# Altium PCB mainboard.PcbDoc (part 2 of 7)
Units mm, origin at the board's own origin, x right, y up, seen from the top; angles counter-clockwise.
Board outline 298.75 x 332.5 mm, 4 copper layers (Top, Ground, Power, Bottom), stack 0.844 mm thick; 349 components, 403 nets, 3466 pads, 640 vias.
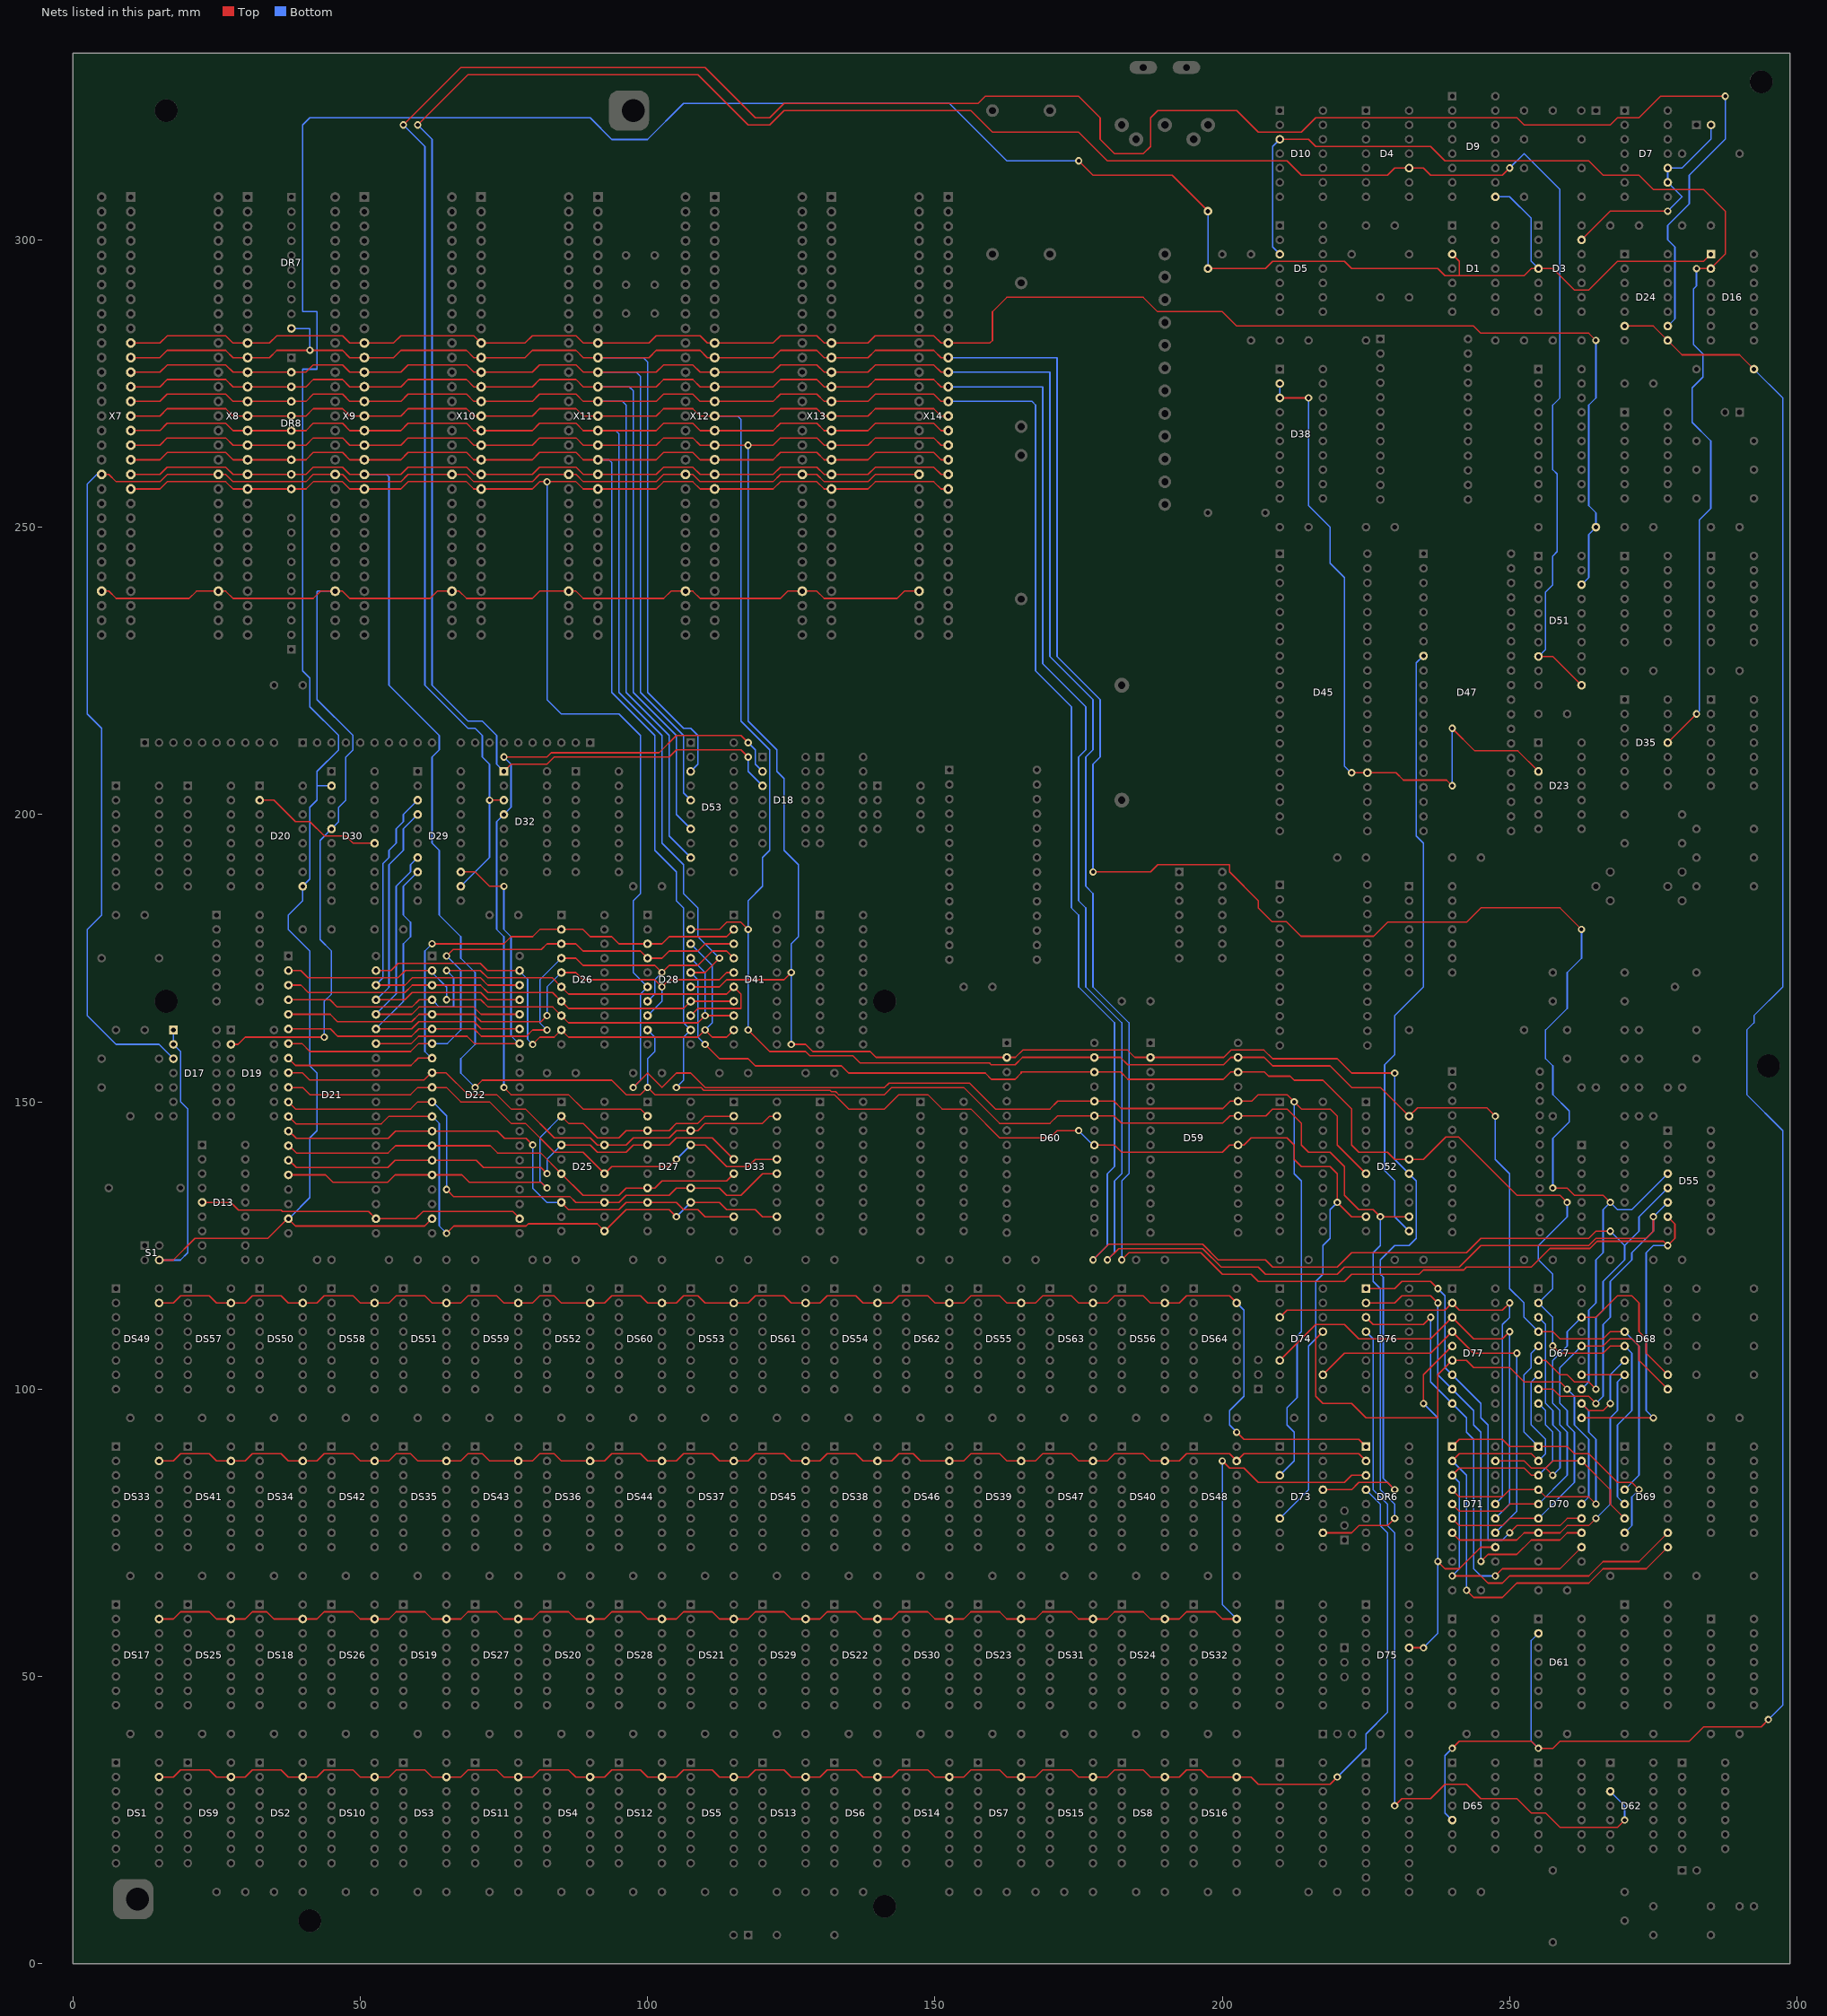
[diagram p4: the nets of this part, all layers, seen from the top]

## Via types
v1: diameter 1.27, hole 0.711, Top to Bottom, tented both sides, 640 vias

## Nets (pads, with @x,y where several pads share a name; then routed paths per layer and width w, separated by ;. In a path a pad name is that pad's centre, name@x,y a point inside that pad or via, vN(x,y) a via of type N, cw(c..) or ccw(c..) an arc to the next point about the centre after c; other vN are vias at no path point) (continued)
A10: D28.6 D52.6 D59.24 D60.24 D73.3 DR8.10 X7.21 X8.21 X9.21 X10.21 X11.21 X12.21 X13.21 X14.21 | length 482.8
  Top w0.254: X7.21@10.078,256.65 15.151,256.65 16.416,257.915 26.585,257.915 27.855,256.645 40.555,256.645 41.825,257.915 46.905,257.915 48.175,256.645 57.065,256.645 58.335,257.915 68.495,257.915 69.765,256.645 79.925,256.645 81.195,257.915 87.545,257.915 88.815,256.645 101.515,256.645 102.785,257.915 107.865,257.915 109.135,256.645 121.835,256.645 123.105,257.915 129.455,257.915 130.725,256.645 138.345,256.645 139.615,257.915 149.775,257.915 151.045,256.645 X14.21@152.313,256.645 ; v1(97.498,152.5) 99.998,155 102.498,152.5 104.998,155 107.498,155 109.998,152.5 141.248,152.5 141.99,153.242 156.038,153.242 160.53,148.75 169.998,148.75 171.362,150.114 181.134,150.114 182.404,148.844 200.094,148.844 201.364,150.114 205.112,150.114 206.248,151.25 211.248,151.25 v1(212.498,150) 213.748,148.75 218.748,148.75 219.998,147.5 219.998,142.5 D52.6@224.998,137.5
  Bottom w0.254: v1(82.498,257.901) v1@82.498,257.915 ; v1@82.5,257.899 82.5,219.998 84.998,217.5 94.998,217.5 98.748,213.75 98.748,186.25 97.498,185 97.498,172.5 D28.6@99.998,170 98.748,168.75 98.748,153.75 v1(97.498,152.5) ; D73.3@209.998,85 212.498,87.5 212.498,92.5 211.248,93.75 211.248,96.782 213.006,98.54 213.006,109.258 213.748,110 213.748,136.25 212.498,137.5 v1(212.498,150)
A11: D28.9 D52.9 D59.21 D60.21 D73.6 DR8.9 X7.20 X8.20 X9.20 X10.20 X11.20 X12.20 X13.20 X14.20 | length 515.8
  Top w0.254: X7.20@10.078,259.19 15.151,259.19 16.416,260.455 26.585,260.455 27.855,259.185 40.555,259.185 41.825,260.455 46.905,260.455 48.175,259.185 57.065,259.185 58.335,260.455 68.495,260.455 69.765,259.185 79.925,259.185 81.195,260.455 87.545,260.455 88.815,259.185 101.515,259.185 102.785,260.455 107.865,260.455 109.135,259.185 121.835,259.185 123.105,260.455 129.455,260.455 130.725,259.185 138.345,259.185 139.615,260.455 149.775,260.455 151.045,259.185 X14.20@152.313,259.185 ; v1(69.998,152.5) 71.248,153.75 93.748,153.75 96.248,151.25 98.748,151.25 v1(99.998,152.5) 101.248,151.25 132.5,151.25 135,148.75 141.248,148.75 143.748,151.25 148.748,151.25 151.248,148.75 156.248,148.75 161.248,143.75 170,143.75 171.25,145 v1(174.998,145) ; D60.21@177.498,142.5 177.504,142.494 181.254,142.494 182.498,141.25 200,141.25 201.25,142.5 203.748,142.5 204.998,143.75 211.248,143.75 212.498,142.5 212.498,140 213.748,138.75 218.748,138.75 219.998,137.5 v1(219.998,132.5) 222.498,130 D52.9@224.998,130
  Bottom w0.254: X9.20@50.718,259.19 54.558,259.19 54.998,258.75 54.998,222.5 63.748,213.75 63.748,211.25 62.498,210 62.498,195 63.748,193.75 63.748,182.5 67.498,178.75 67.498,175 69.998,172.5 69.998,160 67.498,157.5 67.498,155 v1(69.998,152.5) ; v1(99.998,152.5) 99.998,157.5 101.248,158.75 101.248,161.25 D28.9@99.998,162.5 ; v1(174.998,145) D60.21@177.498,142.5 ; D73.6@209.998,77.5 214.998,82.5 214.998,107.5 216.248,108.75 216.248,118.75 217.498,120 217.498,125 218.748,126.25 218.748,131.25 v1(219.998,132.5)
A12: D28.12 D52.12 D59.23 D60.23 D73.10 DR8.8 X7.19 X8.19 X9.19 X10.19 X11.19 X12.19 X13.19 X14.19 | length 481.9
  Top w0.254: X7.19@10.078,261.73 15.16,261.73 16.425,262.995 26.585,262.995 27.855,261.725 40.555,261.725 41.825,262.995 46.905,262.995 48.175,261.725 57.065,261.725 58.335,262.995 68.495,262.995 69.765,261.725 79.925,261.725 81.195,262.995 87.545,262.995 88.815,261.725 101.515,261.725 102.785,262.995 107.865,262.995 109.135,261.725 121.835,261.725 123.105,262.995 129.455,262.995 130.725,261.725 138.345,261.725 139.615,262.995 149.775,262.995 151.045,261.725 X14.19@152.313,261.725 ; v1(104.998,152.5) 109.28,152.5 109.788,151.992 131.756,151.992 131.99,151.758 132.71,151.758 133.218,151.25 141.248,151.25 142.498,152.5 154.998,152.5 161.248,146.25 169.998,146.25 171.322,147.574 181.174,147.574 182.444,146.304 200.054,146.304 201.324,147.574 207.574,147.574 208.75,148.75 211.25,148.75 213.75,146.25 213.75,142.5 215,141.25 218.75,141.25 221.25,138.75 221.25,133.75 223.75,131.25 226.25,131.25 v1(227.5,130) D52.12@232.498,130 ; D73.10@217.498,75 222.5,75 223.75,76.25 228.75,76.25 v1(230,77.5)
  Bottom w0.254: X11.19@91.358,261.73 93.268,261.73 93.748,261.25 93.748,221.25 101.248,213.75 101.248,193.75 104.998,190 104.998,185 106.248,183.75 106.248,163.75 D28.12@107.498,162.5 106.248,161.25 106.248,153.75 v1(104.998,152.5) ; v1(227.5,130) 227.5,125 226.25,123.75 226.25,118.75 227.5,117.5 227.5,82.5 230,80 v1(230,77.5)
A13: D28.15 D52.15 D59.2 D60.2 D73.13 DR8.7 X7.18 X8.18 X9.18 X10.18 X11.18 X12.18 X13.18 X14.18 | length 477.9
  Top w0.254: X7.18@10.078,264.27 15.151,264.27 16.416,265.535 26.585,265.535 27.855,264.265 40.555,264.265 41.825,265.535 46.905,265.535 48.175,264.265 57.065,264.265 58.335,265.535 68.495,265.535 69.765,264.265 79.925,264.265 81.195,265.535 87.545,265.535 88.815,264.265 101.515,264.265 102.785,265.535 107.865,265.535 109.135,264.265 v1(117.467,264.265) 121.835,264.265 123.105,265.535 129.455,265.535 130.725,264.265 138.345,264.265 139.615,265.535 149.775,265.535 151.045,264.265 X14.18@152.313,264.265 ; D28.15@107.498,170 112.498,170 113.748,171.25 123.748,171.25 v1(124.998,172.5) ; v1(124.998,160) 127.498,160 128.748,158.75 138.748,158.75 139.764,157.734 163.984,157.734 165.254,159.004 183.494,159.004 184.764,157.734 200.234,157.734 201.504,159.004 207.246,159.004 208.75,157.5 220,157.5 222.5,155 v1(230,155) ; D73.13@217.498,82.5 222.5,82.5 223.75,83.75 228.75,83.75 v1(230,82.5)
  Bottom w0.254: v1@117.5,263.75 117.5,216.25 122.5,211.25 122.5,207.5 123.75,206.25 123.75,193.75 126.25,191.25 126.25,178.75 125,177.5 125,172.502 v1(124.998,172.5) v1(124.998,160) ; v1(230,82.5) 228.008,84.492 228.008,119.492 227.5,120 227.5,122.5 230,125 232.5,125 233.75,126.25 233.75,136.25 232.5,137.5 D52.15@232.498,137.5 232.498,137.502 230,140 v1(230,155)
A14: D28.16 D52.16 D59.26 D60.26 D67.2 D68.5 D69.5 DR8.6 X7.17 X8.17 X9.17 X10.17 X11.17 X12.17 X13.17 X14.17 | length 515.6
  Top w0.254: X7.17@10.078,266.81 15.151,266.81 16.416,268.075 26.585,268.075 27.855,266.805 40.555,266.805 41.825,268.075 46.905,268.075 48.175,266.805 57.065,266.805 58.335,268.075 68.495,268.075 69.765,266.805 79.925,266.805 81.195,268.075 87.545,268.075 88.815,266.805 101.515,266.805 102.785,268.075 107.865,268.075 109.135,266.805 121.835,266.805 123.105,268.075 129.455,268.075 130.725,266.805 138.345,266.805 139.615,268.075 149.775,268.075 151.045,266.805 X14.17@152.313,266.805 ; D28.16@107.498,172.5 109.998,172.5 v1(112.498,175) ; v1(109.998,160) 112.498,157.5 117.498,157.5 118.748,156.25 133.748,156.25 134.998,155 158.748,155 159.824,153.924 163.924,153.924 165,155 165,155.194 182.304,155.194 183.574,153.924 200.174,153.924 201.444,155.194 202.302,155.194 202.498,154.998 202.498,155.194 207.306,155.194 208.034,154.466 211.784,154.466 212.5,153.75 217.5,153.75 222.5,148.75 222.5,142.5 223.75,141.25 228.75,141.25 230,140 D52.16@232.498,140 234.998,140 238.889,143.891 241.107,143.891 251.267,133.731 258.767,133.731 v1(259.998,132.5) ; v1(257.498,107.5) 258.748,106.25 266.248,106.25 267.498,107.5 D68.5@269.998,107.5
  Bottom w0.254: X11.17@91.358,266.81 94.438,266.81 94.998,266.25 94.998,221.25 102.498,213.75 102.498,195 106.248,191.25 106.248,186.25 108.748,183.75 108.748,178.75 v1(112.498,175) ; D28.16@107.498,172.5 108.748,171.25 108.748,161.25 v1(109.998,160) ; v1(257.498,107.5) 257.498,112.5 D67.2@254.998,115 257.498,117.5 257.498,120 254.998,122.5 254.998,125 259.998,130 v1(259.998,132.5) ; D69.5@269.998,80 268.75,81.25 268.75,93.754 271.248,96.252 271.248,106.25 D68.5@269.998,107.5
A15: D28.19 D52.19 D59.27 D60.27 D67.4 D68.4 D69.4 DR8.5 X7.16 X8.16 X9.16 X10.16 X11.16 X12.16 X13.16 X14.16 | length 501.1
  Top w0.254: X7.16@10.078,269.35 15.151,269.35 16.416,270.615 26.585,270.615 27.855,269.345 40.555,269.345 41.825,270.615 46.905,270.615 48.175,269.345 57.065,269.345 58.335,270.615 68.495,270.615 69.765,269.345 79.925,269.345 81.195,270.615 87.545,270.615 88.815,269.345 101.515,269.345 102.785,270.615 107.865,270.615 109.135,269.345 121.835,269.345 123.105,270.615 129.455,270.615 130.725,269.345 X13.16@131.993,269.345 ; D28.19@107.498,180 112.498,180 113.748,181.25 116.248,181.25 v1(117.498,180) ; v1(117.498,162.5) 121.248,158.75 127.498,158.75 128.24,158.008 135.74,158.008 136.99,156.758 159.49,156.758 159.784,156.464 163.964,156.464 165.234,157.734 182.264,157.734 183.534,156.464 200.214,156.464 201.484,157.734 207.266,157.734 208.75,156.25 218.75,156.25 222.5,152.5 227.498,152.5 D52.19@232.498,147.5 233.969,148.971 246.027,148.971 v1(247.498,147.5) ; X13.16@131.998,269.35 138.35,269.35 139.615,270.615 149.775,270.615 151.045,269.345 X14.16@152.313,269.345 ; D67.4@254.998,110 257.498,110 258.748,108.75 266.248,108.75 267.498,110 D68.4@269.998,110
  Bottom w0.254: X12.16@111.678,269.35 115.648,269.35 116.248,268.75 116.248,216.25 121.248,211.25 121.248,193.75 119.998,192.5 119.998,187.5 117.498,185 v1(117.498,180) v1(117.498,162.5) ; v1(247.498,147.5) 247.498,140 249.998,137.5 249.998,117.5 252.498,115 252.498,112.5 D67.4@254.998,110 ; D69.4@269.998,82.5 272.498,85 272.498,107.5 D68.4@269.998,110
A16: D53.9 D55.5 D67.6 DR8.4 X7.15 X8.15 X9.15 X10.15 X11.15 X12.15 X13.15 X14.15 | length 560.8
  Top w0.254: X7.15@10.078,271.89 15.151,271.89 16.416,273.155 26.585,273.155 27.855,271.885 40.555,271.885 41.825,273.155 46.905,273.155 48.175,271.885 57.065,271.885 58.335,273.155 68.495,273.155 69.765,271.885 79.925,271.885 81.195,273.155 87.545,273.155 88.815,271.885 101.515,271.885 102.785,273.155 107.865,273.155 109.135,271.885 121.835,271.885 123.105,273.155 129.455,273.155 130.725,271.885 138.345,271.885 139.615,273.155 149.775,273.155 151.045,271.885 X14.15@152.313,271.885 ; v1(177.498,122.5) 180.22,125.222 196.558,125.222 199.28,122.5 207.5,122.5 208.75,121.25 220,121.25 222.5,123.75 242.5,123.75 245,126.25 263.75,126.25 265,127.5 v1(267.5,127.5) ; D67.6@254.998,105 256.25,105 258.75,102.5 260,102.5 261.25,101.25 263.75,101.25 v1(265,100)
  Bottom w0.254: X11.15@91.358,271.89 95.608,271.89 96.248,271.25 96.248,221.25 103.748,213.75 103.748,196.25 D53.9@107.498,192.5 ; X14.15@152.318,271.89 166.86,271.89 167.498,271.252 167.498,225 173.748,218.75 173.748,183.75 174.998,182.5 174.998,170 181.248,163.75 181.248,138.75 179.998,137.5 179.998,125 v1(177.498,122.5) ; v1(265,100) 265,112.5 266.25,113.75 266.25,118.75 270,122.5 270,125 ; v1(267.5,127.5) 270,125 ; D55.5@277.498,135 277.498,134.998 272.5,130 272.5,127.5 270,125
A17: D53.7 D55.6 D67.8 DR8.3 X7.14 X8.14 X9.14 X10.14 X11.14 X12.14 X13.14 X14.14 | length 567
  Top w0.254: X7.14@10.078,274.43 15.151,274.43 16.416,275.695 26.585,275.695 27.855,274.425 40.555,274.425 41.825,275.695 46.905,275.695 48.175,274.425 57.065,274.425 58.335,275.695 68.495,275.695 69.765,274.425 79.925,274.425 81.195,275.695 87.545,275.695 88.815,274.425 101.515,274.425 102.785,275.695 107.865,275.695 109.135,274.425 121.835,274.425 123.105,275.695 129.455,275.695 130.725,274.425 138.345,274.425 139.615,275.695 149.775,275.695 151.045,274.425 X14.14@152.313,274.425 ; v1(179.998,122.5) 181.958,124.46 196.601,124.46 199.811,121.25 206.25,121.25 207.5,120 220,120 221.25,121.25 241.25,121.25 245,125 263.75,125 265,126.25 273.75,126.25 275,127.5 v1(275,130) ; D67.8@254.998,100 257.5,100 258.75,98.75 263.75,98.75 v1(265,97.5)
  Bottom w0.254: X11.14@91.358,274.43 96.818,274.43 97.498,273.75 97.498,221.25 104.998,213.75 104.998,200 D53.7@107.498,197.5 ; X14.14@152.318,274.43 168.748,274.43 168.748,226.25 176.248,218.75 176.248,211.25 174.998,210 174.998,185 176.248,183.75 176.248,170 182.498,163.75 182.498,137.5 181.248,136.25 181.248,123.75 v1(179.998,122.5) ; v1(265,97.5) 266.25,98.75 266.25,111.25 267.5,112.5 267.5,118.75 271.25,122.5 271.25,123.75 275,127.5 v1(275,130) ; v1@275,130.002 D55.6@277.498,132.5
A18: D53.5 D55.7 D67.11 DR8.2 X7.13 X8.13 X9.13 X10.13 X11.13 X12.13 X13.13 X14.13 | length 566.9
  Top w0.254: X7.13@10.078,276.97 15.16,276.97 16.425,278.235 26.585,278.235 27.855,276.965 40.555,276.965 41.825,278.235 46.905,278.235 48.175,276.965 57.065,276.965 58.335,278.235 68.495,278.235 69.765,276.965 79.925,276.965 81.195,278.235 87.545,278.235 88.815,276.965 101.515,276.965 102.785,278.235 107.865,278.235 109.135,276.965 121.835,276.965 123.105,278.235 129.455,278.235 130.725,276.965 138.345,276.965 139.615,278.235 149.775,278.235 151.045,276.965 X14.13@152.313,276.965 ; v1(182.498,122.5) 182.5,122.5 183.75,123.75 196.25,123.75 200,120 205,120 206.25,118.75 221.25,118.75 222.5,120 234.258,120 235,120.742 241.992,120.742 242.5,121.25 253.75,121.25 256.992,124.492 263.96,124.492 265.21,125.742 276.756,125.742 v1(277.498,125) 278.748,126.25 278.748,128.75 D55.7@277.498,130 ; D67.11@262.498,95 v1(274.998,95)
  Bottom w0.254: X11.13@91.358,276.97 98.028,276.97 98.748,276.25 98.748,221.25 106.248,213.75 106.248,203.75 D53.5@107.498,202.5 ; X14.13@152.318,276.97 169.998,276.97 169.998,227.5 177.498,220 177.498,211.25 176.248,210 176.248,187.5 177.498,186.25 177.498,170 183.748,163.75 183.748,137.5 182.498,136.25 v1(182.498,122.5) ; v1(274.998,95) 273.748,96.25 273.748,123.75 274.998,125 v1(277.498,125)
A19: D53.3 D55.4 D67.13 DR7.10 X7.12 X8.12 X9.12 X10.12 X11.12 X12.12 X13.12 X14.12 | length 558.6
  Top w0.254: X7.12@10.078,279.51 15.151,279.51 16.416,280.775 26.585,280.775 27.855,279.505 34.205,279.505 35.475,280.775 46.905,280.775 48.175,279.505 55.795,279.505 57.065,280.775 68.495,280.775 69.765,279.505 78.655,279.505 79.925,280.775 87.545,280.775 88.815,279.505 100.245,279.505 101.515,280.775 109.135,280.775 110.405,279.505 121.835,279.505 123.105,280.775 129.455,280.775 130.725,279.505 138.345,279.505 139.615,280.775 149.775,280.775 151.045,279.505 X14.12@152.313,279.505 ; v1(177.5,190) 187.5,190 188.75,191.25 201.25,191.25 201.25,190 206.25,185 206.25,183.75 208.644,181.356 211.144,181.356 213.684,178.816 226.316,178.816 228.75,181.25 242.5,181.25 245,183.75 258.75,183.75 v1(262.5,180) ; v1(257.5,135) 260,135 261.25,133.75 266.25,133.75 v1(267.5,132.5)
  Bottom w0.254: DR7.10@38.021,284.588 41.25,284.588 v1@41.25,280.894 ; X11.12@91.358,279.51 99.238,279.51 99.998,278.75 99.998,221.25 106.248,215 107.498,215 108.748,213.75 108.748,208.75 D53.3@107.498,207.5 ; X14.12@152.318,279.51 171.25,279.51 171.25,227.5 178.75,220 178.75,210 177.5,208.75 v1(177.5,190) ; v1(257.5,135) 257.5,143.637 260.35,146.487 260.35,148.407 257.5,151.257 257.5,156.25 256.25,157.5 256.25,162.5 260,166.25 260,172.5 262.5,175 v1(262.5,180) ; D67.13@262.498,100 262.5,100 263.75,101.25 263.75,113.75 265,115 265,122.5 266.25,123.75 266.25,131.25 v1(267.5,132.5) 268.75,131.25 271.25,131.25 271.25,131.252 D55.4@277.498,137.5
  other v1: 41.248,280.793
AD0: D21.16 D22.16 D25.2 D27.3 D33.2 | length 94.8
  Top w0.254: D21.16@37.498,137.5 37.711,137.287 43.963,137.287 45.233,136.017 54.767,136.017 56.037,137.287 67.711,137.287 68.981,136.017 81.481,136.017 v1(82.498,135) ; D25.2@84.998,147.5 86.248,146.25 88.75,146.25 91.25,143.75 94.998,143.75 96.248,145 D27.3@99.998,145 103.748,145 104.998,146.25 108.748,146.25 109.998,147.5 D33.2@114.998,147.5
  Bottom w0.254: v1(82.498,135) 81.248,136.25 81.248,143.75 D25.2@84.998,147.5
AD1: D21.15 D22.15 D25.4 D27.4 D33.5 | length 86.3
  Top w0.254: D21.15@37.5,140 37.5,139.919 38.862,138.557 54.807,138.557 56.077,139.827 70.171,139.827 71.441,138.557 81.441,138.557 v1(82.498,137.5) ; D25.4@84.998,142.5 90,142.5 91.25,141.25 96.25,141.25 97.5,142.5 D27.4@99.998,142.5 103.748,142.5 104.998,143.75 111.248,143.75 D33.5@114.998,140
  Bottom w0.254: v1(82.498,137.5) 82.498,140 D25.4@84.998,142.5
AD2: D21.14 D22.14 D25.6 D27.7 D33.6 | length 83.7
  Top w0.254: D21.14@37.5,142.5 38.903,141.097 54.847,141.097 56.117,142.367 72.633,142.367 73.903,141.097 81.403,141.097 D25.6@84.998,137.502 ; D25.6@84.998,137.5 88.748,133.75 94.998,133.75 96.248,135 D27.7@99.998,135 101.248,135 102.498,136.25 113.748,136.25 D33.6@114.998,137.5
AD3: D21.13 D22.13 D25.8 D27.8 D33.9 | length 90.2
  Top w0.254: D21.13@37.5,145 38.863,143.637 54.887,143.637 56.157,144.907 73.841,144.907 75.111,143.637 78.861,143.637 v1(79.998,142.5) ; D25.8@84.998,132.5 86.248,131.25 94.998,131.25 96.248,132.5 D27.8@99.998,132.5 104.998,132.5 106.248,131.25 108.748,131.25 109.998,130 D33.9@114.998,130
  Bottom w0.254: v1(79.998,142.5) 79.998,135 82.498,132.5 D25.8@84.998,132.5
AD4: D21.12 D22.12 D25.11 D27.13 D33.12 | length 110.3
  Top w0.254: D21.12@37.498,147.5 38.821,146.177 53.677,146.177 55,147.5 D22.12@62.498,147.5 ; v1(65.024,127.127) 66.294,128.397 78.867,128.397 79.248,128.778 91.222,128.778 92.498,127.502 D25.11@92.498,127.5 96.248,131.25 103.748,131.25 v1(104.998,130) ; D27.13@107.498,132.5 112.498,132.5 113.748,131.25 118.748,131.25 119.998,130 D33.12@122.498,130
  Bottom w0.254: D22.12@62.498,147.5 62.5,147.5 63.75,146.25 63.75,128.401 v1(65.024,127.127) ; v1(104.998,130) D27.13@107.498,132.5
AD5: D21.11 D22.11 D25.13 D27.14 D33.15 | length 103.9
  Top w0.254: D21.11@37.5,150 38.75,148.75 58.75,148.75 60,150 D22.11@62.498,150 ; v1(65.024,134.747) 66.294,133.477 84.519,133.477 84.572,133.529 86.471,133.529 87.5,132.5 D25.13@92.498,132.5 94.998,132.5 96.248,133.75 103.748,133.75 104.998,135 D27.14@107.498,135 112.498,135 113.748,133.75 116.248,133.75 119.998,137.5 D33.15@122.498,137.5
  Bottom w0.254: D22.11@62.498,150 62.598,150 65.024,147.574 v1(65.024,134.747)
AD6: D21.10 D22.10 D25.15 D27.17 D33.16 | length 96.4
  Top w0.254: D21.10@37.498,152.5 40,152.5 41.25,151.25 58.75,151.25 60,152.5 62.498,152.5 65,152.5 67.5,150 72.5,150 76.25,146.25 78.75,146.25 83.75,141.25 88.75,141.25 D25.15@92.498,137.502 ; D25.15@92.498,137.5 93.748,138.75 103.748,138.75 v1(104.998,140) ; D27.17@107.498,142.5 109.998,142.5 113.748,138.75 117.498,138.75 118.748,140 D33.16@122.498,140
  Bottom w0.254: v1(104.998,140) D27.17@107.498,142.5
AD7: D21.9 D22.9 D25.17 D27.18 D33.19 | length 93.4
  Top w0.254: D21.9@37.498,155 37.565,155.067 39.933,155.067 41.203,153.797 61.087,153.797 62.357,155.067 64.933,155.067 68.75,151.25 73.75,151.25 76.25,148.75 78.75,148.75 83.75,143.75 90,143.75 91.25,142.5 D25.17@92.498,142.5 96.248,142.5 97.498,143.75 103.748,143.75 104.998,145 D27.18@107.498,145 108.748,145 109.998,146.25 119.998,146.25 121.248,147.5 D33.19@122.498,147.5
AD8: D21.8 D22.8 D26.2 D28.3 D41.2 | length 102.7
  Top w0.254: D21.8@37.498,157.5 37.572,157.5 38.735,156.337 58.837,156.337 60.107,157.607 62.391,157.607 D22.8@62.498,157.5 ; v1(62.498,177.5) 74.998,177.5 76.248,178.75 79.998,178.75 81.248,180 D26.2@84.998,180 88.75,180 90,178.75 93.748,178.75 94.998,177.5 D28.3@99.998,177.5 102.498,177.5 103.748,178.75 113.748,178.75 D41.2@114.998,180
  Bottom w0.254: D22.8@62.498,157.5 61.248,158.75 61.248,176.25 v1(62.498,177.5)
AD9: D21.7 D22.7 D26.3 D28.4 D41.3 | length 99.1
  Top w0.254: D21.7@37.498,160 37.645,160.147 39.853,160.147 41.25,158.75 58.75,158.75 60.147,160.147 62.351,160.147 D22.7@62.498,160 ; v1(65.024,175.387) 66.167,176.53 81.53,176.53 82.5,177.5 D26.3@84.998,177.5 87.498,177.5 88.748,176.25 98.748,176.25 D28.4@99.998,175 102.498,175 103.748,176.25 108.748,176.25 109.998,177.5 D41.3@114.998,177.5
  Bottom w0.254: D22.7@62.498,160 62.645,160.147 65.145,160.147 67.498,162.5 67.498,172.913 v1(65.024,175.387)
AD10: D21.6 D22.6 D26.4 D28.7 D41.4 | length 100.8
  Top w0.254: D21.6@37.498,162.5 37.685,162.687 44.813,162.687 46.083,161.417 58.917,161.417 60.187,162.687 69.811,162.687 71.081,161.417 78.915,161.417 79.998,162.5 v1(82.498,162.5) ; D26.4@84.998,175 87.5,175 88.75,173.75 101.25,173.75 v1@102.498,172.502 ; v1(102.498,172.5) 103.748,173.75 108.748,173.75 111.248,176.25 113.748,176.25 D41.4@114.998,175
  Bottom w0.254: v1(82.498,162.5) 81.248,163.75 81.248,171.25 D26.4@84.998,175 ; D28.7@99.998,167.5 101.248,168.75 101.248,171.25 v1(102.498,172.5)
AD11: D21.5 D22.5 D26.5 D28.8 D41.5 | length 93.7
  Top w0.254: D21.5@37.498,165 37.725,165.227 44.773,165.227 46.043,163.957 58.957,163.957 60.227,165.227 69.771,165.227 71.041,163.957 81.455,163.957 v1(82.498,165) ; D26.5@84.998,172.5 87.5,172.5 88.75,171.25 101.25,171.25 v1@102.498,170.002 ; v1(102.498,170) 103.748,171.25 112.498,171.25 113.748,172.5 D41.5@114.998,172.5
  Bottom w0.254: v1(82.498,165) 82.498,170 D26.5@84.998,172.5 ; D28.8@99.998,165 102.498,167.5 v1(102.498,170)
AD12: D21.4 D22.4 D26.6 D28.13 D41.6 | length 103
  Top w0.254: D21.4@37.498,167.5 37.765,167.767 44.733,167.767 46.003,166.497 58.997,166.497 60.267,167.767 62.231,167.767 D22.4@62.498,167.5 ; v1(65.024,172.847) 70.901,172.847 72.171,171.577 83.421,171.577 D26.6@84.998,170 86.248,168.75 113.748,168.75 D41.6@114.998,170 115,170 116.25,168.75 116.25,166.25 108.75,166.25 D28.13@107.498,165 D28.13@107.498,165
  Bottom w0.254: D22.4@62.498,167.5 62.751,167.5 63.754,166.497 66.248,166.497 66.248,171.623 v1(65.024,172.847)
AD13: D21.3 D22.3 D26.7 D28.14 D41.7 | length 80.9
  Top w0.254: D21.3@37.498,170 37.805,170.307 39.693,170.307 40.963,169.037 57.787,169.037 59.057,170.307 70.941,170.307 72.211,169.037 83.461,169.037 D26.7@84.998,167.5 85,167.5 86.25,166.25 106.248,166.25 D28.14@107.498,167.5 D41.7@114.998,167.5
AD14: D21.2 D22.2 D26.8 D28.17 D41.8 | length 95.3
  Top w0.254: D21.2@37.498,172.5 37.845,172.847 39.653,172.847 40.923,171.577 56.577,171.577 57.847,172.847 62.151,172.847 D22.2@62.498,172.5 ; v1(65.024,167.767) 70.981,167.767 72.251,166.497 83.501,166.497 D26.8@84.998,165 86.248,163.75 108.748,163.75 v1(109.998,165) D41.8@114.998,165
  Bottom w0.254: D22.2@62.498,172.5 65.024,169.974 v1(65.024,167.767) ; D28.17@107.498,175 109.998,172.5 v1(109.998,165)
AD14M: D71.14 D74.3 D77.2 | length 78.1
  Top w0.254: D74.3@209.998,112.5 211.248,113.75 238.748,113.75 D77.2@239.998,115 ; D77.2@240,115 241.25,113.75 248.75,113.75 v1(250,115)
  Bottom w0.254: D71.14@247.498,80 D71.14@247.498,80 248.75,81.25 248.75,111.25 250,112.5 v1(250,115)
AD15: D21.39 D22.39 D26.9 D28.18 D41.9 | length 95.3
  Top w0.254: D21.39@52.498,172.5 52.845,172.847 55.345,172.847 56.615,174.117 70.881,174.117 72.151,172.847 77.151,172.847 D22.39@77.498,172.5 ; v1(79.998,160) 81.248,161.25 83.748,161.25 D26.9@84.998,162.5 86.248,161.25 108.748,161.25 v1(109.998,162.5) 111.248,161.25 113.748,161.25 D41.9@114.998,162.5
  Bottom w0.254: D22.39@77.498,172.5 77.944,172.5 79.121,171.323 79.121,160.877 v1(79.998,160) ; D28.18@107.498,177.5 111.248,173.75 111.248,163.75 v1(109.998,162.5)
AD15M: D71.13 D74.6 D77.3 | length 80.8
  Top w0.254: D74.6@209.998,105 216.248,111.25 221.248,111.25 223.748,108.75 236.248,108.75 D77.3@239.998,112.5 243.748,108.75 248.748,108.75 v1(249.998,110)
  Bottom w0.254: D71.13@247.498,77.5 249.998,80 v1(249.998,110)
AD16: D21.38 D22.38 D29.3 | length 61.9
  Top w0.254: D21.38@52.498,170 52.805,170.307 57.805,170.307 59.075,171.577 70.921,171.577 72.191,170.307 77.191,170.307 D22.38@77.498,170
  Bottom w0.254: D21.38@52.498,170 52.498,170.1 53.975,171.577 53.975,191.477 54.998,192.5 54.998,193.75 56.248,195 56.248,197.5 ; 56.25,197.5 57.5,198.75 57.5,200 59.998,202.498 D29.3@59.998,202.5
AD16M: D71.12 D74.10 D77.4 | length 71.2
  Top w0.254: D74.10@217.498,102.5 221.248,106.25 236.248,106.25 D77.4@239.998,110 243.748,106.25 v1(251.248,106.25)
  Bottom w0.254: D71.12@247.498,75 251.248,78.75 v1(251.248,106.25)
AD17: D21.37 D22.37 D29.4 | length 62
  Top w0.254: D21.37@52.498,167.5 52.765,167.767 57.765,167.767 59.035,169.037 70.961,169.037 72.231,167.767 77.231,167.767 D22.37@77.498,167.5
  Bottom w0.254: D21.37@52.498,167.5 52.498,167.56 52.705,167.767 52.832,167.767 54.998,169.933 54.998,191.25 57.498,193.75 57.498,197.5 D29.4@59.998,200
AD17M: D71.11 D75.13 D77.5 | length 71.2
  Top w0.254: D75.13@232.498,55 v1(234.998,55) ; v1(234.998,97.5) 234.998,102.5 D77.5@239.998,107.5 ; v1(237.498,70) 238.748,68.75 241.248,68.75 244.998,72.5 D71.11@247.498,72.5
  Bottom w0.254: v1(234.998,55) 237.498,57.5 v1(237.498,70) 237.498,95 v1(234.998,97.5)
AD18: D21.36 D22.36 D29.7 | length 56.8
  Top w0.254: D21.36@52.498,165 52.725,165.227 58.975,165.227 60.245,166.497 69.751,166.497 71.021,165.227 77.271,165.227 D22.36@77.498,165
  Bottom w0.254: D21.36@52.498,165 52.498,165.02 56.248,168.77 56.248,187.5 58.748,190 58.748,191.25 D29.7@59.998,192.5
AD18M: D70.14 D74.13 D77.6 | length 89.8
  Top w0.254: D74.13@217.498,110 217.498,109.998 216.25,108.75 216.25,98.75 217.5,97.5 222.5,97.5 225,95 237.5,95 237.5,102.502 D77.6@239.998,105 242.5,105 243.75,103.75 250,103.75 252.5,101.25 258.75,101.25 v1(260,100)
  Bottom w0.254: v1(260,100) 261.25,98.75 261.25,93.75 263.75,91.25 263.75,81.25 262.5,80 D70.14@262.498,80
AD19: D21.35 D22.35 D29.8 | length 57.9
  Top w0.254: D21.35@52.498,162.5 52.685,162.687 58.935,162.687 60.205,163.957 69.791,163.957 71.061,162.687 77.311,162.687 D22.35@77.498,162.5
  Bottom w0.254: D21.35@52.498,162.5 52.518,162.5 57.498,167.48 57.498,177.5 58.748,178.75 58.748,181.25 57.498,182.5 57.498,187.5 D29.8@59.998,190
AD19M: D70.13 D76.1 D77.7 | length 78.7
  Top w0.254: D76.1@224.998,117.5 229.998,117.5 231.248,118.75 236.248,118.75 v1(237.498,117.5) ; v1(249.998,75) 251.248,76.25 258.75,76.25 260,77.5 D70.13@262.498,77.5
  Bottom w0.254: v1(237.498,117.5) 238.748,116.25 238.748,103.75 D77.7@239.998,102.5 244.998,97.5 244.998,95 246.248,93.75 246.248,73.75 248.748,73.75 v1(249.998,75)
AD20M: D70.12 D76.2 D77.8 | length 81.2
  Top w0.254: D76.2@224.998,115 229.998,115 231.248,116.25 236.248,116.25 v1(237.498,115) ; v1(244.998,70) 246.248,71.25 251.248,71.25 253.748,73.75 258.748,73.75 259.998,75 D70.12@262.498,75
  Bottom w0.254: v1(237.498,115) 237.498,102.5 D77.8@239.998,100 243.748,96.25 243.748,93.75 244.998,92.5 v1(244.998,70)
AD21M: D70.11 D76.3 D77.9 | length 80.5
  Top w0.254: D76.3@224.998,112.5 226.248,111.25 234.998,111.25 v1(236.248,112.5) ; v1(247.498,67.5) 248.748,68.75 258.748,68.75 D70.11@262.498,72.5
  Bottom w0.254: v1(236.248,112.5) 236.248,101.25 D77.9@239.998,97.5 242.498,95 242.498,92.5 243.748,91.25 243.748,68.75 244.998,67.5 v1(247.498,67.5)
ADR0: D4.10 D18.3 D32.1 D51.8 D51.11 | length 480.6
  Top w0.254: v1(60,320) 68.75,328.75 108.75,328.75 117.5,320 121.25,320 123.75,322.5 156.25,322.5 160,318.75 175,318.75 180,313.75 211.25,313.75 213.75,311.25 228.75,311.25 230,312.5 D4.10@232.498,312.5 234.998,312.5 236.248,311.25 248.748,311.25 v1(249.998,312.5) ; D32.1@74.998,207.5 76.248,208.75 82.498,208.75 83.748,210 103.748,210 104.998,211.25 116.248,211.25 v1(117.498,210) ; D51.8@254.998,227.5 257.498,227.5 D51.11@262.498,222.5
  Bottom w0.254: v1(60,320) 62.5,317.5 62.5,315.002 62.498,315 62.498,222.5 68.748,216.25 71.248,216.25 73.748,213.75 73.748,208.75 D32.1@74.998,207.5 ; v1(117.498,210) 117.498,207.5 D18.3@119.998,205 ; v1(249.998,312.5) 252.498,315 258.748,308.75 258.748,272.5 257.498,271.25 257.498,260 258.24,259.258 258.24,245.742 257.498,245 257.498,240 256.248,238.75 256.248,228.75 D51.8@254.998,227.5
ADR14: D67.18 D68.10 D70.5 D71.5 | length 80.4
  Top w0.254: D71.5@240,80 241.25,78.75 248.75,78.75 250,80 D70.5@254.998,80 ; D67.18@262.498,112.5 264.998,112.5 268.748,116.25 271.248,116.25 272.498,115 272.498,110 273.748,108.75 273.748,106.25 D68.10@277.498,102.5
  Bottom w0.254: D70.5@254.998,80 259.998,85 259.998,92.5 258.748,93.75 258.748,96.25 257.498,97.5 257.498,105 259.998,107.5 259.998,110 D67.18@262.498,112.5
ADR15: D67.16 D68.9 D70.6 D71.6 | length 71.8
  Top w0.254: D71.6@240,77.5 241.25,76.25 248.75,76.25 250,77.5 D70.6@254.998,77.5 ; D67.16@262.498,107.5 266.248,107.5 267.498,108.75 271.248,108.75 272.498,107.5 272.498,105 D68.9@277.498,100
  Bottom w0.254: D70.6@254.998,77.5 261.248,83.75 261.248,92.5 259.998,93.75 259.998,96.25 258.748,97.5 258.748,103.75 D67.16@262.498,107.5
ADR16: D67.14 D68.7 D70.7 D71.7 | length 61.6
  Top w0.254: D71.7@239.998,75 241.248,73.75 251.248,73.75 252.498,75 D70.7@254.998,75 258.75,75 260,76.25 263.75,76.25 v1(265,77.5) ; D67.14@262.498,102.5 D68.7@269.998,102.5
  Bottom w0.254: v1(265,77.5) 267.5,80 267.5,95 268.75,96.25 268.75,101.25 269.998,102.498 D68.7@269.998,102.5
ADR17: D67.12 D68.6 D70.4 D71.4 | length 60.2
  Top w0.254: D71.4@239.998,82.5 241.248,81.25 248.748,81.25 249.998,82.5 D70.4@254.998,82.5 ; D70.4@255,82.5 256.25,81.25 263.75,81.25 v1(265,80) ; D67.12@262.498,97.5 263.748,96.25 266.248,96.25 v1(267.498,97.5)
  Bottom w0.254: D67.12@262.498,97.5 262.5,97.5 263.75,96.25 263.75,92.5 265,91.25 v1(265,80) ; v1(267.498,97.5) 267.498,102.5 D68.6@269.998,105
ADR18: D67.9 D69.10 D70.3 D71.3 | length 90.8
  Top w0.254: v1(239.998,67.5) 244.998,67.5 246.248,66.25 248.748,66.25 249.998,67.5 263.748,67.5 266.248,70 272.498,70 D69.10@277.498,75 ; D71.3@239.998,85 241.248,86.25 252.498,86.25 253.748,85 D70.3@254.998,85
  Bottom w0.254: v1(239.998,67.5) 241.248,68.75 241.248,83.75 D71.3@239.998,85 ; D70.3@254.998,85 257.498,87.5 257.498,92.5 256.248,93.75 256.248,96.25 D67.9@254.998,97.5
ADR19: D67.7 D69.9 D70.2 D71.2 | length 95.8
  Top w0.254: D71.2@239.998,87.5 241.248,88.75 253.748,88.75 D70.2@254.998,87.5 ; v1(242.498,65) 243.748,63.75 248.748,63.75 251.248,66.25 263.748,66.25 266.248,68.75 273.748,68.75 D69.9@277.498,72.5
  Bottom w0.254: D71.2@239.998,87.5 242.498,85 v1(242.498,65) ; D70.2@254.998,87.5 256.248,88.75 256.248,91.25 253.748,93.75 253.748,101.25 D67.7@254.998,102.5
ADR20: D67.5 D69.7 D70.1 D71.1 | length 64.7
  Top w0.254: D71.1@239.998,90 241.248,91.25 248.748,91.25 249.998,90 D70.1@254.998,90 257.5,90 260,90 261.25,88.75 263.75,88.75 268.75,83.75 271.248,83.75 v1(272.498,82.5)
  Bottom w0.254: D70.1@254.998,90 252.498,92.5 252.498,102.5 253.748,103.75 253.748,106.25 D67.5@254.998,107.5 ; D69.7@269.998,75 271.248,76.25 271.248,81.25 v1(272.498,82.5)
ADR21: D67.3 D69.6 D70.17 D71.17 | length 60.5
  Top w0.254: D71.17@247.498,87.5 252.5,87.5 253.75,86.25 256.25,86.25 ; v1(257.5,85) 256.25,86.25 ; D69.6@269.998,77.5 267.498,80 267.498,82.5 D70.17@262.498,87.5 257.5,87.5 256.25,86.25
  Bottom w0.254: D67.3@254.998,112.5 255,112.5 256.25,111.25 256.25,97.5 257.5,96.25 257.5,93.75 258.75,92.5 258.75,86.25 v1(257.5,85)
AEN: D51.18 R23.2 X7.11 X8.11 X9.11 X10.11 X11.11 X12.11 X13.11 X14.11 | length 316.2
  Top w0.254: X7.11@10.078,282.05 15.16,282.05 16.425,283.315 26.585,283.315 27.851,282.05 X8.11@30.398,282.05 34.21,282.05 35.475,283.315 46.905,283.315 48.175,282.045 55.795,282.045 57.065,283.315 69.773,283.315 X10.11@71.038,282.05 78.66,282.05 79.925,283.315 87.545,283.315 88.815,282.045 100.245,282.045 101.515,283.315 109.135,283.315 110.405,282.045 121.835,282.045 123.105,283.315 129.455,283.315 130.721,282.05 X13.11@131.998,282.05 138.341,282.05 139.606,283.315 149.775,283.315 151.045,282.045 X14.11@152.313,282.045 ; X14.11@152.318,282.05 159.55,282.05 159.998,282.498 159.998,287.5 162.498,290 186.248,290 188.748,287.5 199.998,287.5 202.498,285 243.748,285 244.998,283.75 263.748,283.75 v1(264.998,282.5)
  Bottom w0.254: D51.18@262.498,240 263.748,241.25 263.748,248.75 R23.2@264.998,250 264.998,252.5 263.748,253.75 263.748,271.25 264.998,272.5 v1(264.998,282.5)
ALE: D19.2 D30.5 X7.59 X8.59 X9.59 X10.59 X11.59 X12.59 X13.59 X14.59 | length 253.4
  Top w0.254: X7.59@4.998,238.87 6.261,238.87 7.535,237.595 20.235,237.595 21.505,238.865 26.585,238.865 27.855,237.595 41.825,237.595 43.095,238.865 46.905,238.865 48.175,237.595 62.145,237.595 63.415,238.865 67.225,238.865 68.495,237.595 79.925,237.595 81.195,238.865 87.545,238.865 88.815,237.595 102.785,237.595 104.055,238.865 107.865,238.865 109.135,237.595 123.105,237.595 124.375,238.865 129.455,238.865 130.725,237.595 143.425,237.595 144.7,238.87 X14.59@147.238,238.87 ; D19.2@27.498,160 28.748,160 29.998,161.25 v1(43.748,161.25)
  Bottom w0.254: v1(43.748,161.25) 43.748,167.5 44.998,168.75 44.998,176.25 43.006,178.242 43.006,195.508 D30.5@44.998,197.5 46.248,198.75 46.248,201.25 47.498,202.5 47.498,210 48.748,211.25 48.748,213.75 42.498,220 42.498,238.75 42.618,238.87 X9.59@45.638,238.87
ASTB: D47.8 D52.11 | length 105.7
  Bottom w0.254: 229.998,136.25 229.998,130 D52.11@232.498,127.5 ; 229.998,136.274 228.24,138.032 228.24,156.46 229.998,158.218 229.998,165 234.998,170 234.998,195 233.748,196.25 233.748,226.382 234.866,227.5 D47.8@234.998,227.5
AUX/: D3.13 D7.9 D7.10 X1(RESET).2 | length 38.7
  Top w0.254: D3.13@262.498,300 267.498,305 v1(277.498,305)
  Bottom w0.254: v1(277.498,305) 279.998,307.5 D7.9@277.498,310 D7.10@277.498,312.5 279.998,312.5 285.038,317.54 285.038,320
BHE/: D21.34 D22.34 D29.13 | length 63.2
  Top w0.254: D21.34@52.498,160 52.645,160.147 58.895,160.147 60.165,161.417 68.581,161.417 69.851,160.147 77.351,160.147 D22.34@77.498,160 ; D29.13@67.498,190 69.998,190 72.498,187.5 v1(74.998,187.5)
  Bottom w0.254: v1(74.998,187.5) 74.998,180 76.248,178.75 76.248,176.25 76.248,161.496 77.498,160.246 D22.34@77.498,160
BHEN/: D24.6 D24.8 D61.2 D65.5 R10.1 | length 361.6
  Top w0.254: v1(239.998,37.5) 241.248,38.75 253.75,38.75 v1(255,37.5) 257.5,37.5 258.75,38.75 281.248,38.75 283.748,41.25 293.748,41.25 v1(294.998,42.5) ; D24.6@269.998,285 274.998,285 D24.8@277.498,282.5 279.998,280 289.998,280 R10.1@292.498,277.5
  Bottom w0.254: D65.5@239.998,25 238.748,26.25 238.748,36.25 v1(239.998,37.5) ; D61.2@254.998,57.5 D61.2@254.998,57.5 253.75,56.25 253.75,38.75 v1(255,37.5) ; R10.1@292.498,277.5 297.498,272.5 297.498,170 292.498,165 292.498,163.75 291.248,162.5 291.248,151.25 297.498,145 297.498,45 v1(294.998,42.5)
CADR0: D18.2 D27.2 D32.4 | length 137.2
  Top w0.254: v1(74.998,152.5) 76.248,151.25 86.248,151.25 88.748,148.75 98.748,148.75 D27.2@99.998,147.5 ; v1(74.998,210) 82.498,210 83.24,210.742 101.99,210.742 104.998,213.75 116.248,213.75 v1(117.498,212.5)
  Bottom w0.254: v1(74.998,152.5) 74.998,178.75 73.748,180 73.748,198.75 D32.4@74.998,200 76.248,201.25 76.248,208.75 v1(74.998,210) ; v1(117.498,212.5) 118.748,211.25 118.748,208.75 D18.2@119.998,207.5
CAS0/: DR6.4 DS1.15 DS2.15 DS3.15 DS4.15 DS5.15 DS6.15 DS7.15 DS8.15 DS9.15 DS10.15 DS11.15 DS12.15 DS13.15 DS14.15 DS15.15 DS16.15 | length 276.7
  Top w0.254: DS1.15@14.998,32.5 17.498,32.5 18.748,33.75 23.748,33.75 24.998,32.5 DS9.15@27.498,32.5 29.998,32.5 31.248,33.75 36.248,33.75 37.498,32.5 DS2.15@39.998,32.5 42.498,32.5 43.748,33.75 48.748,33.75 49.998,32.5 DS10.15@52.498,32.5 54.998,32.5 56.248,33.75 61.248,33.75 62.498,32.5 DS3.15@64.998,32.5 67.498,32.5 68.748,33.75 73.748,33.75 74.998,32.5 DS11.15@77.498,32.5 79.998,32.5 81.248,33.75 86.248,33.75 87.498,32.5 DS4.15@89.998,32.5 92.498,32.5 93.748,33.75 98.748,33.75 99.998,32.5 DS12.15@102.498,32.5 104.998,32.5 106.248,33.75 111.248,33.75 112.498,32.5 DS5.15@114.998,32.5 117.498,32.5 118.748,33.75 123.748,33.75 124.998,32.5 DS13.15@127.498,32.5 129.998,32.5 131.248,33.75 136.248,33.75 137.498,32.5 DS6.15@139.998,32.5 142.498,32.5 143.748,33.75 148.748,33.75 149.998,32.5 DS14.15@152.498,32.5 154.998,32.5 156.248,33.75 161.248,33.75 162.498,32.5 DS7.15@164.998,32.5 167.498,32.5 168.748,33.75 173.748,33.75 174.998,32.5 DS15.15@177.498,32.5 179.998,32.5 181.248,33.75 186.248,33.75 187.498,32.5 DS8.15@189.998,32.5 192.498,32.5 193.748,33.75 196.248,33.75 197.498,32.5 DS16.15@202.498,32.5 204.998,32.5 206.248,31.25 218.748,31.25 v1(219.998,32.5)
  Bottom w0.254: v1(219.998,32.5) 224.998,37.5 224.998,40 228.748,43.75 228.748,75 227.498,76.25 227.498,80 DR6.4@224.998,82.5
CAS1/: DR6.3 DS17.15 DS18.15 DS19.15 DS20.15 DS21.15 DS22.15 DS23.15 DS24.15 DS25.15 DS26.15 DS27.15 DS28.15 DS29.15 DS30.15 DS31.15 DS32.15 | length 258.6
  Top w0.254: DS17.15@14.998,60 17.498,60 18.748,61.25 23.748,61.25 24.998,60 DS25.15@27.498,60 29.998,60 31.248,61.25 33.748,61.25 34.998,60 DS18.15@39.998,60 42.498,60 43.748,61.25 48.748,61.25 49.998,60 DS26.15@52.498,60 54.998,60 56.248,61.25 61.248,61.25 62.498,60 DS19.15@64.998,60 67.498,60 68.748,61.25 73.748,61.25 74.998,60 DS27.15@77.498,60 79.998,60 81.248,61.25 86.248,61.25 87.498,60 DS20.15@89.998,60 92.498,60 93.748,61.25 98.748,61.25 99.998,60 DS28.15@102.498,60 104.998,60 106.248,61.25 111.248,61.25 112.498,60 DS21.15@114.998,60 117.498,60 118.748,61.25 123.748,61.25 124.998,60 DS29.15@127.498,60 129.998,60 131.248,61.25 136.248,61.25 137.498,60 DS22.15@139.998,60 142.498,60 143.748,61.25 148.748,61.25 149.998,60 DS30.15@152.498,60 154.998,60 156.248,61.25 161.248,61.25 162.498,60 DS23.15@164.998,60 167.498,60 168.748,61.25 173.748,61.25 174.998,60 DS31.15@177.498,60 179.998,60 181.248,61.25 186.248,61.25 187.498,60 DS24.15@189.998,60 192.498,60 193.748,61.25 198.748,61.25 199.998,60 DS32.15@202.498,60 ; v1(200,87.5) 201.25,86.25 203.75,86.25 206.25,83.75 221.25,83.75 222.5,85 DR6.3@224.998,85
  Bottom w0.254: v1(200,87.5) 200,62.5 DS32.15@202.498,60
CAS2/: DR6.2 DS33.15 DS34.15 DS35.15 DS36.15 DS37.15 DS38.15 DS39.15 DS40.15 DS41.15 DS42.15 DS43.15 DS44.15 DS45.15 DS46.15 DS47.15 DS48.15 | length 226.6
  Top w0.254: DS33.15@14.998,87.5 17.498,87.5 18.748,88.75 23.748,88.75 24.998,87.5 DS41.15@27.498,87.5 29.998,87.5 31.248,88.75 36.248,88.75 37.498,87.5 DS34.15@39.998,87.5 42.498,87.5 43.748,88.75 48.748,88.75 49.998,87.5 DS42.15@52.498,87.5 54.998,87.5 56.248,88.75 58.748,88.75 59.998,87.5 DS35.15@64.998,87.5 67.498,87.5 68.748,88.75 71.248,88.75 72.498,87.5 DS43.15@77.498,87.5 79.998,87.5 81.248,88.75 83.748,88.75 84.998,87.5 DS36.15@89.998,87.5 92.498,87.5 93.748,88.75 98.748,88.75 99.998,87.5 DS44.15@102.498,87.5 104.998,87.5 106.248,88.75 111.248,88.75 112.498,87.5 DS37.15@114.998,87.5 117.498,87.5 118.748,88.75 123.748,88.75 124.998,87.5 DS45.15@127.498,87.5 129.998,87.5 131.248,88.75 136.248,88.75 137.498,87.5 DS38.15@139.998,87.5 142.498,87.5 143.748,88.75 146.248,88.75 147.498,87.5 DS46.15@152.498,87.5 154.998,87.5 156.248,88.75 161.248,88.75 162.498,87.5 DS39.15@164.998,87.5 167.498,87.5 168.748,88.75 173.748,88.75 174.998,87.5 DS47.15@177.498,87.5 179.998,87.5 181.248,88.75 186.248,88.75 187.498,87.5 DS40.15@189.998,87.5 192.498,87.5 193.748,88.75 201.248,88.75 DS48.15@202.498,87.5 203.748,88.75 223.748,88.75 DR6.2@224.998,87.5
CAS3/: DR6.1 DS49.15 DS50.15 DS51.15 DS52.15 DS53.15 DS54.15 DS55.15 DS56.15 DS57.15 DS58.15 DS59.15 DS60.15 DS61.15 DS62.15 DS63.15 DS64.15 | length 251.1
  Top w0.254: DS49.15@14.998,115 17.498,115 18.748,116.25 23.748,116.25 24.998,115 29.998,115 31.248,116.25 36.248,116.25 37.498,115 42.498,115 43.748,116.25 48.748,116.25 49.998,115 54.998,115 56.248,116.25 61.248,116.25 62.498,115 67.498,115 68.748,116.25 73.748,116.25 74.998,115 79.998,115 81.248,116.25 83.748,116.25 84.998,115 DS52.15@89.998,115 92.498,115 93.748,116.25 98.748,116.25 99.998,115 DS60.15@102.498,115 104.998,115 106.248,116.25 108.748,116.25 109.998,115 117.498,115 118.748,116.25 123.748,116.25 124.998,115 129.998,115 131.248,116.25 136.248,116.25 137.498,115 142.498,115 143.748,116.25 148.748,116.25 149.998,115 154.998,115 156.248,116.25 161.248,116.25 162.498,115 167.498,115 168.748,116.25 173.748,116.25 174.998,115 179.998,115 181.248,116.25 186.248,116.25 187.498,115 192.498,115 193.748,116.25 201.248,116.25 DS64.15@202.498,115 ; v1(202.498,92.5) 203.748,91.25 223.748,91.25 DR6.1@224.998,90
  Bottom w0.254: v1(202.498,92.5) 201.248,93.75 201.248,96.25 203.748,98.75 203.748,113.75 DS64.15@202.498,115
CASEN/: D62.3 D76.4 | length 135.8
  Top w0.254: v1(230,27.5) 231.25,28.75 236.25,28.75 238.75,31.25 242.5,31.25 245,28.75 251.25,28.75 253.75,26.25 256.25,26.25 258.75,23.75 268.75,23.75 v1(270,25)
  Bottom w0.254: D76.4@224.998,110 225,110 226.25,108.75 226.25,82.5 228.75,80 228.75,76.25 230,75 v1(230,27.5) ; D62.3@267.498,30 D62.3@267.498,30 270,27.5 v1(270,25)
CBHEN/: D24.9 D29.12 D32.3 | length 446.1
  Top w0.254: v1(57.5,320) 67.5,330 110,330 118.75,321.25 121.25,321.25 123.75,323.75 157.5,323.75 158.75,325 175,325 178.75,321.25 178.75,317.5 181.25,315 186.25,315 187.5,316.25 187.5,321.25 188.75,322.5 202.5,322.5 206.25,318.75 213.75,318.75 216.25,321.25 251.25,321.25 252.5,320 267.5,320 268.75,321.25 272.5,321.25 276.25,325 v1(287.498,325) ; v1(72.498,202.5) D32.3@74.998,202.5
  Bottom w0.254: v1(57.5,320) 61.248,316.252 61.248,222.5 68.748,215 69.998,215 71.248,213.75 71.248,210 72.498,208.75 v1(72.498,202.5) 72.498,192.5 D29.12@67.498,187.5 ; D24.9@277.498,285 278.748,286.25 278.748,298.75 277.498,300 277.498,302.5 281.248,306.25 281.248,311.25 287.498,317.5 v1(287.498,325)
CEN: D20.2 D30.15 | length 23.1
  Top w0.254: D20.2@32.498,202.5 35,202.5 38.75,198.75 41.25,198.75 43.75,196.25 47.5,196.25 48.75,195 D30.15@52.498,195
CLK: D1.3 D3.4 D9.9 D16.1 D17.1 D17.2 D20.9 D21.19 D22.19 D30.2 R38.1 R38.2 S1.4 | length 600.3
  Top w0.254: S1.4@15.038,122.46 17.458,122.46 21.248,126.25 33.921,126.25 37.401,129.731 38.735,128.397 61.214,128.397 62.498,129.681 D22.19@62.498,130 ; v1(174.998,313.75) 177.498,311.25 191.248,311.25 R38.2@197.498,305 ; R38.1@197.498,295 207.498,295 208.748,296.25 221.248,296.25 222.498,295 237.498,295 238.748,293.75 241.248,293.75 ; D1.3@239.998,297.5 241.248,296.25 241.248,293.75 ; D16.1@284.998,297.5 283.748,296.25 268.748,296.25 263.748,291.25 261.248,291.25 257.498,295 253.748,295 252.498,293.75 241.248,293.75
  Bottom w0.254: S1.4@15.038,122.46 18.708,122.46 19.998,123.75 19.998,148.75 18.748,150 18.748,158.75 D17.2@17.498,160 D17.1@17.498,162.5 ; D21.19@37.498,130 37.925,130 41.248,133.323 41.248,143.75 42.498,145 42.498,155 41.248,156.25 41.248,176.25 37.498,180 37.498,182.5 39.998,185 D20.9@39.998,187.5 41.248,188.75 41.248,201.25 42.498,202.5 42.498,205 ; D30.2@44.998,205 42.498,205 ; v1(174.998,313.75) 162.498,313.75 152.498,323.75 106.25,323.75 99.971,317.471 93.779,317.471 90,321.25 41.25,321.25 39.998,319.998 39.998,287.5 42.498,287.5 42.498,277.5 39.998,277.5 39.998,225 41.248,223.75 41.248,218.75 46.248,213.75 46.248,211.25 42.498,207.5 42.498,205 ; R38.1@197.498,295 R38.2@197.498,305 ; D9.9@247.498,307.5 249.998,307.5 253.748,303.75 253.748,296.25 D3.4@254.998,295
CLK/: D5.3 D10.3 D16.2 D35.11 | length 206
  Top w0.254: D10.3@209.998,317.5 215,317.5 216.25,316.25 236.25,316.25 238.75,313.75 263.75,313.75 266.25,311.25 272.5,311.25 275,308.75 283.75,308.75 287.5,305 287.5,297.5 D16.2@285,295 ; D35.11@277.498,212.5 v1(282.498,217.5) ; v1(282.498,295) D16.2@284.998,295
  Bottom w0.254: D5.3@209.998,297.5 208.748,298.75 208.748,316.25 D10.3@209.998,317.5 ; v1(282.498,217.5) 283.006,218.008 283.006,251.25 284.998,253.242 284.998,265 281.756,268.242 281.756,274.258 283.629,276.131 283.629,279.905 283.748,280.024 281.99,281.782 281.99,291.46 282.498,291.968 v1(282.498,295)
CLOCK: D17.3 X7.51 X8.51 X9.51 X10.51 X11.51 X12.51 X13.51 X14.51 | length 265.5
  Top w0.254: X7.51@4.998,259.19 6.261,259.19 7.535,257.915 15.155,257.915 16.425,259.185 26.585,259.185 27.855,257.915 40.555,257.915 41.825,259.185 46.905,259.185 48.175,257.915 57.065,257.915 58.335,259.185 68.495,259.185 69.765,257.915 79.925,257.915 81.195,259.185 87.545,259.185 88.815,257.915 101.515,257.915 102.785,259.185 107.865,259.185 109.135,257.915 121.835,257.915 123.105,259.185 129.455,259.185 130.725,257.915 138.345,257.915 139.62,259.19 X14.51@147.238,259.19
  Bottom w0.254: X7.51@4.998,259.19 4.19,259.19 2.5,257.5 2.5,217.498 4.998,215 4.998,182.5 2.498,180 2.498,165 7.498,160 14.998,160 D17.3@17.498,157.5
CLRKB: D23.3 D38.2 D38.3 D45.25 | length 122.5
  Top w0.254: D38.3@209.998,272.5 v1(215,272.5) ; v1(222.504,207.264) 230.236,207.264 231.506,205.994 239.006,205.994 v1(240,205) ; v1(240,215) 243.926,211.074 251.424,211.074 D23.3@254.998,207.5
  Bottom w0.254: D38.3@209.998,272.5 D38.2@209.998,275 ; v1(215,272.5) 215,253.75 218.75,250 218.75,243.75 221.25,241.25 221.25,208.391 222.377,207.264 v1(222.504,207.264) ; v1(240,205) v1(240,215)
CRDY: D13.5 D21.22 D22.22 | length 57.2
  Top w0.254: D13.5@22.498,132.5 27.5,132.5 28.828,131.172 36.214,131.172 36.449,130.937 51.435,130.937 52.498,129.874 52.498,129.667 59.665,129.667 60.935,130.937 76.561,130.937 D22.22@77.498,130